# Altium PCB GameBoard_V1I1_Phase1.PcbDoc (part 5 of 18) (continued)
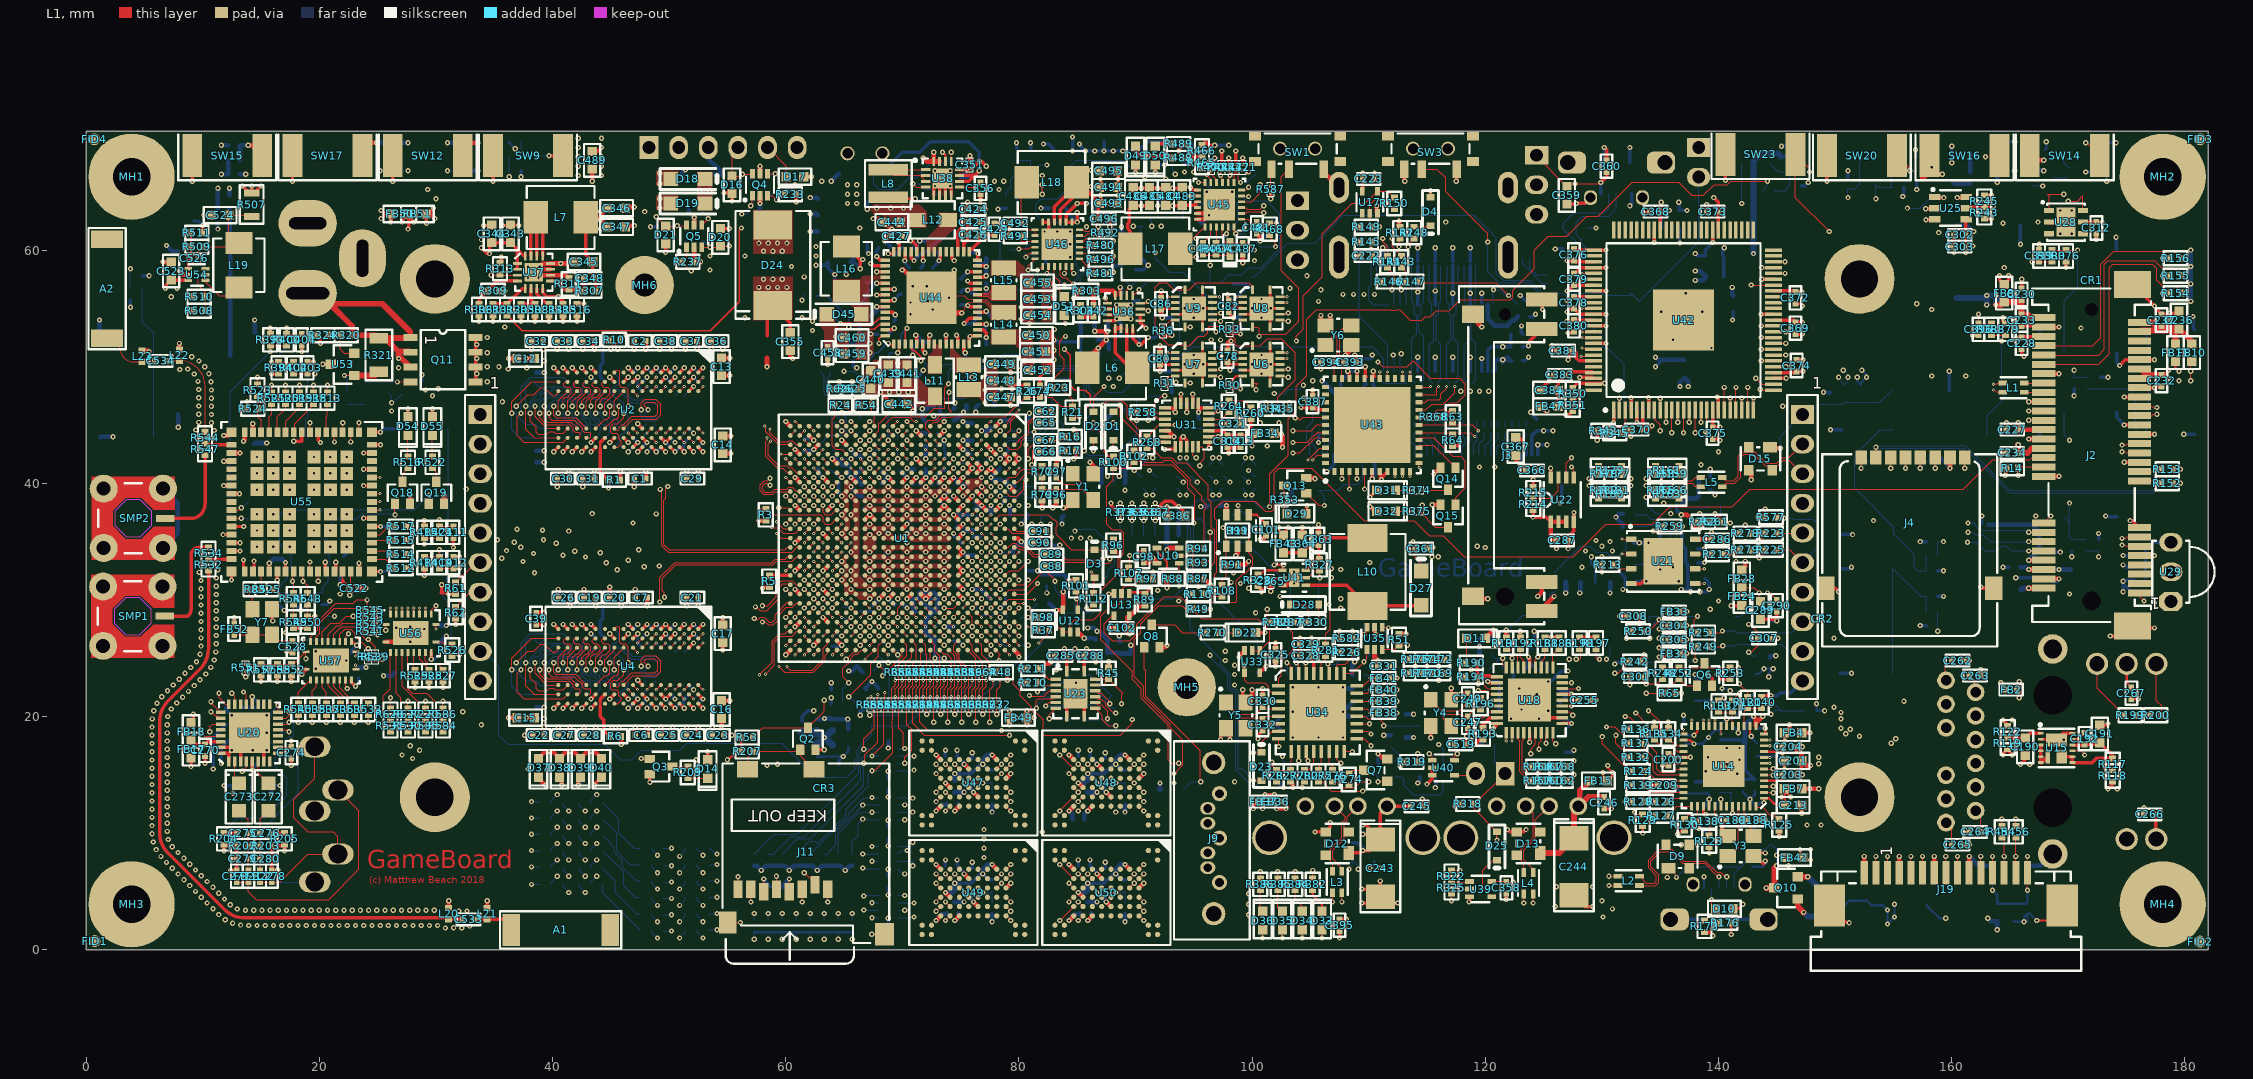
[diagram p0: L1 view]
## Part data (continued)
U23: "IC BUS TRANSCVR 4BIT 16QFN", Manufacturer="Texas Instruments", Operating Temperature="-40°C ~ 85°C", Package / Case="16-VFQFN Exposed Pad", Supplier Device Package="16-VQFN (4x4)", Supplier Part Number 1=296-18231-1-ND, Voltage - Supply="1.2 V ~ 3.6 V", .Checked PCB=used, .Checked SCH=used, .Creator=MM, Category="Integrated Circuits (ICs)", ComponentLink1Description=http://www.ti.com/lit/ds/symlink/sn74avc4t245.pdf, ComponentLink1URL=http://www.ti.com/lit/ds/symlink/sn74avc4t245.pdf, Data Rate=380Mbps, Differential - Input:Output=No/No, Input Type=Voltage, Logic Function="Translator, Bidirectional, 3-State", Manufacturer Part Number=SN74AVC4T245RGYR, Mounting Type="Surface Mount", Number of Channels=2, Number of Outputs/Channel=2, Output Type=Voltage, Packaging="Cut Tape (CT)", Pricing 1="1=1.15, 10=0.924, 100=0.71, 500=0.548, 1000=0.495 (USD)", Propagation Delay (Max)=2.9ns, RoHS="RoHS Compliant", Stock 1=17293, Supplier 1=Digi-Key
U25: "IC DIGITAL TEMP SENSOR SOT23-6", Manufacturer="Texas Instruments", Manufacturer Part Number=TMP101NA/3K, Operating Temperature="-55°C ~ 125°C", Package / Case=SOT-23-6, Supplier Part Number 1=296-27725-1-ND, Voltage - Supply="2.7 V ~ 5.5 V", .Checked PCB=used, .Checked SCH=used, Accuracy=±3°C(Max), Category="Integrated Circuits (ICs)", ComponentLink1Description=http://www.ti.com/lit/ds/symlink/tmp100.pdf, ComponentLink1URL=http://www.ti.com/lit/ds/symlink/tmp100.pdf, Function="Temp Monitoring System (Sensor)", Mounting Type="Surface Mount", Output Alarm=Yes, Output Fan=No, Output Type=I²C™/SMBus™, Packaging="Cut Tape (CT)", Pricing 1="1=2.55, 10=2.304, 25=2.064, 100=1.856, 250=1.648, 500=1.44, 1000=1.192 (USD)", RoHS="RoHS Compliant", Sensing Temperature="-55°C ~ 125°C", Sensor Type=Internal, Stock 1=3233, Supplier 1=Digi-Key, Supplier Device Package=SOT-23-6, Topology="ADC (Sigma Delta), Register Bank"
U26: library part TJA1040T/CM,118, "IC TRANSCEIVER CAN 8SOIC", Manufacturer="NXP Semiconductors", Operating Temperature=-, Package / Case="8-SOIC (0.154\", 3.90mm Width)", Supplier Device Package=8-SO, Supplier Part Number 1=568-10289-1-ND, Voltage - Supply="4.75 V ~ 5.25 V", .Checked PCB=used, .Checked SCH=used, .Creator=MM, Category="Integrated Circuits (ICs)", ComponentLink1Description=http://www.nxp.com/documents/data_sheet/TJA1040.pdf, ComponentLink1URL=http://www.nxp.com/documents/data_sheet/TJA1040.pdf, Data Rate=-, Duplex=Half, Manufacturer Part Number=TJA1040T/CM,118, Mounting Type="Surface Mount", Number of Drivers/Receivers=1/1, Packaging="Cut Tape (CT)", Pricing 1="1=1.32, 10=1.169, 25=1.0552, 100=0.9233, 250=0.80976, 500=0.71814, 1000=0.56792 (USD)", Protocol=CAN, Receiver Hysteresis=70mV, RoHS="RoHS Compliant", Stock 1=2927, Supplier 1=Digi-Key, Type=Transceiver
U28: "SENSIRION - SHT21 - SENSOR, HUMIDITY & TEMP, 3X3MM, 2%", Capacitance=-, Manufacturer=SENSIRION, Operating Temperature Max=125, Operating Temperature Min=-40, Supplier Part Number 1=1855468, Supply Voltage Max=3.6, Supply Voltage Min=2.1, .Checked PCB=used, .Checked SCH=used, .Creator=MM, Category="Integrated Circuits (ICs)", ComponentLink1Description=http://www.farnell.com/datasheets/1780639.pdf, ComponentLink1URL=http://www.farnell.com/datasheets/1780639.pdf, ComponentLink2Description=http://www.farnell.com/cad/1670197.zip, ComponentLink2URL=http://www.farnell.com/cad/1670197.zip, Humidity Range="0% to 100", Manufacturer Part Number=SHT21, MSL="MSL 1 - Unlimited<!--FANDB--><div class=\"features-and-benefits-container\"></div>", Pricing 1="1=3.03, 10=2.94, 25=2.88, 50=2.75, 100=2.55 (GBP)", Response Time=5, RoHS=YES, Sensing Accuracy=2%, Sensitivity="± 1%", Sensor Output1=Digital, Sensor Terminals=SMD, Stock 1=8509, Supplier 1=Farnell
U29: "IC IR RCVR MOD 38KHZ DOME AXIAL", B.P.F. Center Frequency=38.0kHz, Current - Supply=450µA, Manufacturer="Vishay Semiconductor Opto Division", Supplier Part Number 1=751-1227-ND, Voltage - Supply="2.5 V ~ 5.5 V", .Checked PCB=used, .Checked SCH=used, .Creator=MM, Category="Sensors, Transducers", ComponentLink1Description=http://www.vishay.com/docs/82491/tsop382.pdf, ComponentLink1URL=http://www.vishay.com/docs/82491/tsop382.pdf, Manufacturer Part Number=TSOP38238, Mounting Type="Through Hole", Orientation="Side View", Pricing 1="1=1.12, 10=0.878, 25=0.756, 50=0.6548, 100=0.594, 250=0.54, 500=0.4995, 1000=0.4455, 2500=0.432 (USD)", RoHS="RoHS Compliant", Sensing Distance=45m, Stock 1=4083, Supplier 1=Digi-Key
U30: "SENSOR XTRINSIC 6-AXIS QFN", Manufacturer="Freescale Semiconductor", Supplier Part Number 1=FXOS8700CQR1CT-ND, .Checked PCB=used, .Checked SCH=used, .Creator=MM, Category="Sensors, Transducers", ComponentLink1Description=http://cache.freescale.com/files/sensors/doc/data_sheet/FXOS8700CQ.pdf, ComponentLink1URL=http://cache.freescale.com/files/sensors/doc/data_sheet/FXOS8700CQ.pdf, Manufacturer Part Number=FXOS8700CQR1, Output Type="I²C, SPI", Pricing 1="1=2.63, 10=2.35, 25=2.2092, 100=2.115, 250=2.021, 500=1.88 (USD)", RoHS="RoHS Compliant", Sensor Type="Accelerometer, Magnetometer, 3 Axis", Stock 1=6201, Supplier 1=Digi-Key
U31: "GYROSCOPE 3-AXIS 24QFN", Current - Supply=2.7mA, Manufacturer="Freescale Semiconductor", Operating Temperature="-40°C ~ 85°C", Package / Case="24-TFQFN Exposed Pad", Supplier Device Package="24-QFN (4x4)", Supplier Part Number 1=FXAS21002CQR1CT-ND, Voltage - Supply="1.95 V ~ 3.6 V", .Checked PCB=used, .Checked SCH=used, .Creator=MM, Category="Sensors, Transducers", ComponentLink1Description=http://cache.freescale.com/files/sensors/doc/data_sheet/FXAS21002.pdf, ComponentLink1URL=http://cache.freescale.com/files/sensors/doc/data_sheet/FXAS21002.pdf, Manufacturer Part Number=FXAS21002CQR1, Output Type="I²C, SPI", Pricing 1="1=3.56, 10=3.175, 25=2.9844, 100=2.8575, 250=2.73052, 500=2.54 (USD)", Range °/s="±250°/s, ±500°/s, ±1000°/s, ±2000°/s", RoHS="RoHS Compliant", Sensitivity="0.0078°/s/LSB, 0.0156°/s/LSB, 0.0312°/s/LSB, 0.0625°/s/LSB", Stock 1=1703, Supplier 1=Digi-Key, Typical Bandwidth=400Hz
U32: "IC SGL SCHMT-TRIG INVERT SC70-5", Current - Output High, Low="32mA, 32mA", Current - Quiescent (Max)=10µA, Manufacturer="Texas Instruments", Operating Temperature="-40°C ~ 85°C", Package / Case="5-TSSOP, SC-70-5, SOT-353", Supplier Device Package=SC-70-5, Supplier Part Number 1=296-11608-1-ND, Voltage - Supply="1.65 V ~ 5.5 V", .Checked PCB=used, .Checked SCH=used, .Creator=MM, Category="Integrated Circuits (ICs)", ComponentLink1Description=http://www.ti.com/lit/ds/symlink/sn74lvc1g14.pdf, ComponentLink1URL=http://www.ti.com/lit/ds/symlink/sn74lvc1g14.pdf, Features="Schmitt Trigger", Logic Level - High="1.16 V ~ 3.33 V", Logic Level - Low="0.39 V ~ 1.87 V", Logic Type=Inverter, Manufacturer Part Number=SN74LVC1G14DCKR, Max Propagation Delay @ V, Max CL="5ns @ 5V, 50pF", Mounting Type="Surface Mount", Number of Circuits=1, Number of Inputs=1, Packaging="Cut Tape (CT)", Pricing 1="1=0.49, 10=0.284, 100=0.134, 1000=0.103 (USD)", RoHS="RoHS Compliant", Stock 1=49135, Supplier 1=Digi-Key
U34: library part LPC1345FHN33,551, "IC MCU ARM 32KB FLASH 32HVQFN", Manufacturer="NXP Semiconductors", Operating Temperature="-40°C ~ 85°C", Package / Case="32-VQFN Exposed Pad", Supplier Device Package="32-HVQFN (7x7)", Voltage - Supply (Vcc/Vdd)="2 V ~ 3.6 V", .Checked PCB=used, .Checked SCH=used, .Creator=MM, Category="Integrated Circuits (ICs)", ComponentLink1Description=http://www.nxp.com/documents/data_sheet/LPC1315_16_17_45_46_47.pdf, ComponentLink1URL=http://www.nxp.com/documents/data_sheet/LPC1315_16_17_45_46_47.pdf, Connectivity="I²C, Microwire, SPI, SSI, SSP, UART/USART, USB", Core Processor="ARM® Cortex®-M3", Core Size=32-Bit, Data Converters="A/D 8x12b", EEPROM Size="2K x 8", Manufacturer Part Number=LPC1345FHN33,551, Number of I/O=26, Oscillator Type=Internal, Packaging=Tray, Peripherals="Brown-out Detect/Reset, POR, WDT", Pricing 1="260=3.2745 (USD)", Program Memory Size="32KB (32K x 8)", Program Memory Type=FLASH, RAM Size="10K x 8", RoHS="RoHS Compliant", Speed=72MHz, Stock 1=0, Supplier 1=Digi-Key, Supplier Part Number 1=LPC1345FHN33,551-ND
U35: "IC SWITCH SPDT SC70-6", Current - Supply=2.5µA, Manufacturer="Texas Instruments", On-State Resistance="10 Ohm", Operating Temperature="-40°C ~ 85°C", Package / Case="6-TSSOP, SC-88, SOT-363", Supplier Device Package=SC-70-6, Supplier Part Number 1=296-17588-1-ND, Voltage - Supply, Single/Dual (±)="1.65 V ~ 5.5 V", Voltage Supply Source="Single Supply", .Checked PCB=used, .Checked SCH=used, .Creator=MM, Category="Integrated Circuits (ICs)", Circuit="1 x SPDT", ComponentLink1Description=http://www.ti.com/lit/ds/symlink/ts5a3157.pdf, ComponentLink1URL=http://www.ti.com/lit/ds/symlink/ts5a3157.pdf, Function=Switch, Manufacturer Part Number=TS5A3157DCKR, Mounting Type="Surface Mount", Packaging="Cut Tape (CT)", Pricing 1="1=0.42, 10=0.325, 100=0.171, 1000=0.153 (USD)", RoHS="RoHS Compliant", Stock 1=2204, Supplier 1=Digi-Key
U36 U37: "IC REG BUCK SYNC ADJ 4A 16TQFN", Current - Output=4A, Frequency - Switching="490kHz ~ 4.2MHz", Manufacturer=Intersil, Operating Temperature="-40°C ~ 85°C", Package / Case="16-WFQFN Exposed Pad", Supplier Device Package="16-TQFN (3x3)", Supplier Part Number 1=ISL8024AIRTAJZ-T7ACT-ND, Voltage - Input="2.7 V ~ 5.5 V", Voltage - Output="0.6 V ~ 5.5 V", .Checked PCB=used, .Checked SCH=used, .Creator=MM, Category="Integrated Circuits (ICs)", ComponentLink1Description=http://www.intersil.com/content/dam/Intersil/documents/fn78/fn7812.pdf, ComponentLink1URL=http://www.intersil.com/content/dam/Intersil/documents/fn78/fn7812.pdf, Manufacturer Part Number=ISL8024AIRTAJZ-T7A, Mounting Type="Surface Mount", Number of Outputs=1, Output Type=Adjustable, Packaging="Cut Tape (CT)", Pricing 1="1=4.61, 25=3.63, 100=3.08 (USD)", RoHS="RoHS Compliant", Stock 1=440, Supplier 1=Digi-Key, Synchronous Rectifier=Yes, Type="Step-Down (Buck)"
U38: "IC REG BUCK 5V 3A SYNC 16QFN", Base Part Number=TPS62133, Current - Output=3A, Frequency - Switching=2.5MHz, Manufacturer="Texas Instruments", Operating Temperature="-40°C ~ 85°C (TA)", Package / Case="16-VFQFN Exposed Pad", Supplier Device Package="16-QFN (3x3)", Supplier Part Number 1=296-29937-1-ND, Voltage - Input (Max)=17V, Voltage - Input (Min)=3V, Voltage - Output (Max)=-, Voltage - Output (Min/Fixed)=5V, .Creator=MB, Category="Integrated Circuits (ICs)", ComponentLink1Description=http://www.ti.com/lit/ds/symlink/tps62130.pdf, ComponentLink1URL=http://www.ti.com/lit/ds/symlink/tps62130.pdf, Function=Step-Down, Manufacturer Part Number=TPS62133RGTR, Mounting Type="Surface Mount", Number of Outputs=1, Output Configuration=Positive, Output Type=Fixed, Packaging="Cut Tape (CT)", Part Status=Active, Pricing 1="1=2.35, 10=2.113, 100=1.6981, 500=1.39514, 1000=1.15597 (USD)", RoHS="RoHS Compliant", Stock 1=20215, Supplier 1=Digi-Key, Synchronous Rectifier=Yes, Topology=Buck
U39 U40: "IC BUFF CMOS LVL/SFTR N-I SOT353", Current - Output High, Low="8mA, 8mA", Manufacturer="ON Semiconductor", Operating Temperature="-55°C ~ 125°C", Package / Case="5-TSSOP, SC-70-5, SOT-353", Supplier Device Package=SC-70, Supplier Part Number 1=M74VHC1GT126DF1GOSCT-ND, Voltage - Supply="3 V ~ 5.5 V", .Checked PCB=used, .Checked SCH=used, .Creator=MM, Category="Integrated Circuits (ICs)", ComponentLink1Description=http://www.onsemi.com/pub_link/Collateral/MC74VHC1GT126-D.PDF, ComponentLink1URL=http://www.onsemi.com/pub_link/Collateral/MC74VHC1GT126-D.PDF, Logic Type="Buffer/Line Driver, Non-Inverting", Manufacturer Part Number=M74VHC1GT126DF1G, Mounting Type="Surface Mount", Number of Bits per Element=1, Number of Elements=1, Packaging="Cut Tape (CT)", Pricing 1="1=0.36, 10=0.326, 25=0.2344, 100=0.1824, 250=0.1146, 500=0.09766, 1000=0.06654 (USD)", RoHS="RoHS Compliant", Stock 1=6821, Supplier 1=Digi-Key
U41: "IC LED DRVR RGLTR DIM 1.2A 6SON", Base Part Number=TPS61165, Current - Output / Channel="1.2A (Switch)", Frequency=1.2MHz, Manufacturer="Texas Instruments", Operating Temperature="-40°C ~ 85°C (TA)", Package / Case="6-WDFN Exposed Pad", Supplier Device Package="6-SON (2x2)", Supplier Part Number 1=296-22944-1-ND, Voltage - Output="3 V ~ 38 V", Voltage - Supply (Max)=18V, Voltage - Supply (Min)=3V, .Creator=MB, Applications="Automotive, Backlight", Category="Integrated Circuits (ICs)", ComponentLink1Description=http://www.ti.com/lit/ds/symlink/tps61165.pdf, ComponentLink1URL=http://www.ti.com/lit/ds/symlink/tps61165.pdf, Dimming=PWM, Internal Switch(s)=Yes, Manufacturer Part Number=TPS61165DRVR, Mounting Type="Surface Mount", Number of Outputs=1, Packaging="Cut Tape (CT)", Part Status=Active, Pricing 1="1=1.87, 10=1.681, 100=1.3514, 500=1.11034, 1000=0.92 (USD)", RoHS="RoHS Compliant", Stock 1=17685, Supplier 1=Digi-Key, Topology="Step-Up (Boost)", Type="DC DC Regulator"
U42: "Digital Receiver 3RX 100-Pin HTQFP EP T/R", Dual Supply Voltage=3.3V, Manufacturer="Texas Instruments", Max Dual Supply Voltage=3.6V, Max Operating Temperature=85°C, Min Dual Supply Voltage=3V, Min Operating Temperature=-40°C, Nominal Supply Current=370mA, Package Quantity=900, Supplier Part Number 1=595-TFP401AIPZPRQ1, .Creator=MB, ComponentLink1Description=https://datasheet.ciiva.com/6634/slds190-6634593.pdf, ComponentLink1URL=https://datasheet.ciiva.com/6634/slds190-6634593.pdf, ComponentLink2Description=https://datasheet.ciiva.com/26913/getdatasheetpartid-720456-26913091.pdf, ComponentLink2URL=https://datasheet.ciiva.com/26913/getdatasheetpartid-720456-26913091.pdf, ComponentLink3Description=https://datasheet.ciiva.com/24101/slds190-260996-24101855.pdf, ComponentLink3URL=https://datasheet.ciiva.com/24101/slds190-260996-24101855.pdf, Lead Free="Lead Free", Manufacturer Part Number=TFP401AIPZPRQ1, Mount="Surface Mount", Number of Pins=100, Packaging="Tape and Reel", Pricing 1="1=9.68, 10=8.75, 50=8.1, 100=7.24, 1000=5.49, 10000=5.49 (USD)", Radiation Hardening=No, Stock 1=0, Supplier 1=Mouser
U43: "IC MCU 8BIT 32KB FLASH 44QFN", Case/Package=QFN, Frequency=48MHz, Manufacturer=Microchip, Max Operating Temperature=85°C, Max Power Dissipation=1W, Max Supply Voltage=5.5V, Min Operating Temperature=-40°C, Min Supply Voltage=4.2V, Package Quantity=45, Supplier Part Number 1=PIC18F4550-I/ML-ND, .Creator=MB, Access Time=48us, ComponentLink1Description=https://datasheet.ciiva.com/9244/39632d-9244677.pdf, ComponentLink1URL=https://datasheet.ciiva.com/9244/39632d-9244677.pdf, ComponentLink2Description=https://datasheet.ciiva.com/1494/39632e-1494715.pdf, ComponentLink2URL=https://datasheet.ciiva.com/1494/39632e-1494715.pdf, ComponentLink3Description=https://datasheet.ciiva.com/7774/39632e-7774431.pdf, ComponentLink3URL=https://datasheet.ciiva.com/7774/39632e-7774431.pdf, Core Architecture=PIC, Data Bus Width=8b, Density=32KB, Height=0.95mm, Interface=I2C,SPI,USB,UART,USART, Lead Free="Lead Free", Length=8mm, Manufacturer Part Number=PIC18F4550-I/ML, Max Frequency=48MHz, Memory Size=32KB, Memory Type=FLASH, Mount="Surface Mount", Number of ADC Channels=13, Number of Bits=8, Number of I2C Channels=1, Number of I/Os=35, Number of Inputs=35, Number of Outputs=34, Number of Pins=44, Number of Programmable I/O=35, Number of PWM Channels=1, Number of SPI Channels=1, Number of Timers/Counters=4, Number of UART Channels=1, Number of USB Channels=1, Oscillator Type=Internal, Packaging=Rail/Tube, Peripherals="Brown-out Detect/Reset,POR,PWM,WDT,HLVD,I2C", Pricing 1="1=4.73, 25=4.6248, 100=4.5114 (USD)", Radiation Hardening=No, RAM Size=2KB, REACH SVHC="No SVHC", Stock 1=752, Supplier 1=Digi-Key, Watchdog Timer=Yes, Width=8mm
U44: "IC PWR MGMT I.MX6 56QFN", Manufacturer="Freescale Semiconductor", Operating Temperature="-40°C ~ 85°C", Package / Case="56-VFQFN Exposed Pad", Supplier Device Package="56-QFN (8x8)", Supplier Part Number 1=MMPF0100NPAEP-ND, Voltage - Input="2.8 V ~ 4.5 V", Voltage - Output=Multiple, .Checked PCB=used, .Checked SCH=used, .Creator=MM, Applications="Converter, i.MX6", Category="Integrated Circuits (ICs)", ComponentLink1Description=http://cache.freescale.com/files/analog/doc/data_sheet/MMPF0100.pdf, ComponentLink1URL=http://cache.freescale.com/files/analog/doc/data_sheet/MMPF0100.pdf, Manufacturer Part Number=MMPF0100NPAEP, Mounting Type="Surface Mount", Number of Outputs=12, Packaging=Tray, Pricing 1="260=4.017 (USD)", RoHS="RoHS Compliant", Stock 1=0, Supplier 1=Digi-Key
U45: "IC LI-ION CHARGE MGMT 24WQFN", Battery Pack Voltage=-, Charge Current - Max=5A, Manufacturer="Texas Instruments", Operating Temperature="-40°C ~ 85°C (TA)", Package / Case="24-WFQFN Exposed Pad", Supplier Device Package="24-WQFN (4x4)", Supplier Part Number 1=296-46074-1-ND, Voltage - Supply (Max)=14V, .Creator=MB, Battery Chemistry=Lithium-Ion/Polymer, Category="Integrated Circuits (ICs)", ComponentLink1Description=http://www.ti.com/lit/ds/symlink/bq25890.pdf, ComponentLink1URL=http://www.ti.com/lit/ds/symlink/bq25890.pdf, ComponentLink2Description=http://www.ti.com/lit/ds/symlink/bq25898c.pdf, ComponentLink2URL=http://www.ti.com/lit/ds/symlink/bq25898c.pdf, Current - Charging=-, Fault Protection="Over Current, Over Temperature", Interface="I²C, USB", Manufacturer Part Number=BQ25890RTWR, Number of Cells=1, Packaging="Cut Tape (CT)", Part Status=Active, Pricing 1="1=3.6, 10=3.236, 100=2.6512, 500=2.25694, 1000=1.90344 (USD)", Pricing 2="1=3.87, 10=3.474, 100=2.846 (USD)", Programmable Features=-, RoHS="RoHS Compliant", Stock 1=4130, Stock 2=565, Supplier 1=Digi-Key, Supplier 2=Digi-Key, Supplier Part Number 2=296-44134-1-ND
U46: "IC LI-ION CHARGE MGMT 24WQFN", Manufacturer="Texas Instruments", Max Operating Temperature=85°C, Min Operating Temperature=-40°C, Operating Supply Voltage=14V, Output Current=5A, Output Voltage=4.6V, Supplier Part Number 1=296-46075-6-ND, ComponentLink1Description=http://www.ti.com/lit/gpn/BQ25892, ComponentLink1URL=http://www.ti.com/lit/gpn/BQ25892, ComponentLink2Description=http://www.ti.com/lit/ds/symlink/bq25892.pdf, ComponentLink2URL=http://www.ti.com/lit/ds/symlink/bq25892.pdf, Contact Plating=Nickel,Gold, Lead Free="Lead Free", Manufacturer Part Number=BQ25892RTWR, Mount="Surface Mount", Number of Cells=1, Pricing 1="1=3.6, 10=3.236, 100=2.6512, 500=2.25694, 1000=1.90344 (USD)", Stock 1=1514, Supplier 1=Digi-Key
U47 U48 U49 U50: "IC FLASH MEM 4GBIT NAND 63VFBGA", Manufacturer=Macronix, Max Operating Temperature=85°C, Min Operating Temperature=-40°C, ComponentLink1Description=http://www.macronix.com/Lists/Datasheet/Attachments/5992/MX30LF2G18AC,%203V,%202Gb,%20v1.4.pdf, ComponentLink1URL=http://www.macronix.com/Lists/Datasheet/Attachments/5992/MX30LF2G18AC,%203V,%202Gb,%20v1.4.pdf, Interface=Parallel, Manufacturer Part Number=MX30LF4G18AC-XKI, Memory Type=NAND,FLASH, Number of Pins=63, Packaging=Tray, Pricing 1="1=11.32, 500=8.4375 (USD)", Stock 1=1195, Supplier 1=Digi-Key
U52: "IC SINGLE INVERTER GATE SOT353", Case/Package=SOT-353, High Level Output Current=-8mA, Low Level Output Current=8mA, Manufacturer=Diodes, Max Operating Temperature=125°C, Max Supply Voltage=5.5V, Min Operating Temperature=-40°C, Min Supply Voltage=4.5V, Operating Supply Voltage=5V, Package Quantity=3000, Quiescent Current=1uA, Supplier Part Number 1=74AHCT1G04SE-7DIDKR-ND, .Creator=MB, ComponentLink1Description=https://datasheet.ciiva.com/26856/getdatasheetpartid-746016-26856226.pdf, ComponentLink1URL=https://datasheet.ciiva.com/26856/getdatasheetpartid-746016-26856226.pdf, ComponentLink2Description=https://datasheet.ciiva.com/28428/74ahct1g04-28428437.pdf, ComponentLink2URL=https://datasheet.ciiva.com/28428/74ahct1g04-28428437.pdf, ComponentLink3Description=https://datasheet.ciiva.com/12256/74ahct1g04-83266-12256775.pdf, ComponentLink3URL=https://datasheet.ciiva.com/12256/74ahct1g04-83266-12256775.pdf, ComponentLink4Description=https://datasheet.ciiva.com/1862/74ahct1g04-1862426.pdf, ComponentLink4URL=https://datasheet.ciiva.com/1862/74ahct1g04-1862426.pdf, ComponentLink5Description=https://datasheet.ciiva.com/1862/74ahct1g04-1862427.pdf, ComponentLink5URL=https://datasheet.ciiva.com/1862/74ahct1g04-1862427.pdf, ComponentLink6Description=https://datasheet.ciiva.com/1862/74ahct1g04-1862428.pdf, ComponentLink6URL=https://datasheet.ciiva.com/1862/74ahct1g04-1862428.pdf, ComponentLink7Description=https://datasheet.ciiva.com/8248/74ahct1g04-8248604.pdf, ComponentLink7URL=https://datasheet.ciiva.com/8248/74ahct1g04-8248604.pdf, ComponentLink8Description=https://datasheet.ciiva.com/16406/74ahc1g04-16406796.pdf, ComponentLink8URL=https://datasheet.ciiva.com/16406/74ahc1g04-16406796.pdf, ComponentLink9Description=https://datasheet.ciiva.com/1154/74ahct1g04-1154302.pdf, ComponentLink9URL=https://datasheet.ciiva.com/1154/74ahct1g04-1154302.pdf, Contact Plating=Tin,Matte, Height=1mm, Lead Free="Lead Free", Length=2.2mm, Logic Function=Inverter, Manufacturer Part Number=74AHCT1G04SE-7, Mount="Surface Mount", Number of Circuits=1, Number of Elements=1, Number of Inputs=1, Number of Pins=5, Output Current=8mA, Packaging="Tape and Reel", Pricing 1="1=0.25, 10=0.205, 100=0.1086, 500=0.07148, 1000=0.0486 (USD)", Propagation Delay=7.7ns, Radiation Hardening=No, REACH SVHC="No SVHC", Schmitt Trigger Input=No, Stock 1=6017, Supplier 1=Digi-Key, Turn-On Delay Time=10.05ns, Width=1.35mm
U53: "IC VREF SHUNT ADJ SOT23-3", Current - Cathode=700µA, Current - Output=100mA, Current - Supply=-, Manufacturer="Texas Instruments", Operating Temperature="-40°C ~ 125°C (TA)", Package / Case="TO-236-3, SC-59, SOT-23-3", Supplier Device Package=SOT-23-3, Supplier Part Number 1=296-18864-1-ND, Tolerance=±1%, Voltage - Output (Max)=36V, Voltage - Output (Min/Fixed)=2.495V, .Checked PCB=used, .Checked SCH=used, .Creator=MM, Category="Integrated Circuits (ICs)", ComponentLink1Description=http://www.ti.com/lit/ds/symlink/tl431a.pdf, ComponentLink1URL=http://www.ti.com/lit/ds/symlink/tl431a.pdf, Manufacturer Part Number=TL431AQDBZR, Mounting Type="Surface Mount", Noise - 0.1Hz to 10Hz=-, Noise - 10Hz to 10kHz=-, Output Type=Adjustable, Packaging="Cut Tape (CT)", Pricing 1="1=0.48, 10=0.323, 100=0.151, 1000=0.131 (USD)", Reference Type=Shunt, RoHS="RoHS Compliant", Stock 1=14090, Supplier 1=Digi-Key, Temperature Coefficient=-, Voltage - Input=-
U54: "1-A High Efficiency Step-Down Converter in SOT Package, DRL0006A (SOT-OTHER-6)", Alternate Manufacturer="Texas Instruments", Alternate PartNumber=TLV62568DRLT, ComponentLink1Description="Datasheet Link", ComponentLink1URL=http://www.ti.com/lit/ds/symlink/tlv62568.pdf, CompType=IC, LatestRevisionDate=2017-05-22, Manufacturer="Texas Instruments", MountType=SMT, PackageDescription=SOT-OTHER-6, PackageReference=DRL0006A, PartNumber=TLV62568DRLR, Publisher="Texas Instruments", RoHS=Y, SizeArea_mm2=2.56, SizeAreaWB_mm2=6.76, SizeX_mm=1.6, SizeY_mm=1.6, SizeZ_mm=0.6, SymbolCreator=a0411947, SymbolVersion=2016-08-27, U/M=EA
U55: "Imported", Manufacturer="Texas Instruments", ComponentLink1Description="Design Guide", ComponentLink1URL=http://www.ti.com/lit/ug/swru382a/swru382a.pdf, ComponentLink2Description="Data Sheet", ComponentLink2URL=http://www.ti.com/lit/ds/symlink/wl1837mod.pdf, PartNumber=WL1837MODGIMOCR, RefDes=RefDes, Type=TYPE
U56 U57: "8-Bit Bidirectional Voltage-Level Shifter For Open-Drain And Push-Pull Application, RGY0020A (VQFN-20)", Alternate Manufacturer="Texas Instruments", ComponentLink1Description="Datasheet Link", ComponentLink1URL=http://www.ti.com/lit/ds/symlink/txs0108e.pdf, CompType=IC, Green_EU RoHS=Passed, Green_EU RoHS-2=Passed, Green_Lifecycle=Active, Green_REACh=Passed, LatestRevisionDate=2017-06-05, Manufacturer="Texas Instruments", MountType=SMT, PackageDescription=VQFN-20, PackageReference=RGY0020A, PartNumber=TXS0108ERGYR, Publisher="Texas Instruments", RoHS=Y, SizeArea_mm2=15.75, SizeAreaWB_mm2=24.75, SizeX_mm=3.5, SizeY_mm=4.5, SizeZ_mm=1, SymbolCreator=a0411947, SymbolVersion=2016-1-28, U/M=EA
Y1 Y4: library part ABM8-24.000MHZ-R60-D-1-W-T, "CRYSTAL 24MHZ 18PF SMD", ESR (Equivalent Series Resistance)="50 Ohm", Frequency Stability=±25ppm, Frequency Tolerance=±10ppm, Load Capacitance=18pF, Manufacturer="Abracon Corporation", Operating Mode=Fundamental, Operating Temperature="-40°C ~ 85°C", Package / Case="4-SMD, No Lead (DFN, LCC)", Ratings=-, Supplier Part Number 1=535-10155-1-ND, .Checked PCB=used, .Checked SCH=used, .Creator=MM, Category="Crystals and Oscillators", ComponentLink1Description=http://www.abracon.com/Resonators/abm8.pdf, ComponentLink1URL=http://www.abracon.com/Resonators/abm8.pdf, Frequency=24MHz, Height="0.031\" (0.80mm)", Manufacturer Part Number=ABM8-24.000MHZ-R60-D-1-W-T, Mounting Type="Surface Mount", Packaging="Cut Tape (CT)", Pricing 1="1=1.42, 10=1.356, 50=1.326, 100=1.134, 500=1.104 (USD)", RoHS="RoHS Compliant", Size / Dimension="0.126\" L x 0.098\" W (3.20mm x 2.50mm)", Stock 1=11496, Supplier 1=Digi-Key, Type="MHz Crystal"
Y2: library part ABS06-32.768KHZ-9-1-T, "CRYSTAL 32.768 KHZ 9.0 PF SMD", Frequency Stability=±10ppm, Load Capacitance=9pF, Manufacturer="Abracon Corporation", Operating Mode=Fundamental, Operating Temperature="-40°C ~ 85°C", Package / Case="2-SMD, No Lead (DFN, LCC)", Supplier Part Number=535-10247-1-ND, .Checked PCB=used, .Checked SCH=used, Category="Crystals and Oscillators", ComponentLink1Description=http://www.abracon.com/Resonators/ABS06.pdf, ComponentLink1URL=http://www.abracon.com/Resonators/ABS06.pdf, Frequency=32.768kHz, Frequency Tolerance=±10ppm, Height="0.024\" (0.60mm)", Manufacturer Part Number=ABS06-32.768KHZ-9-1-T, Mounting Type="Surface Mount", Packaging="Cut Tape (CT)", Price 1k [$]=1.24500, Pricing 1="1=2.81, 10=2.438, 50=2.1376, 100=1.6875, 500=1.425 (USD)", RoHS="RoHS Compliant", Size / Dimension="0.079\" L x 0.047\" W (2.00mm x 1.20mm)", Stock 1=5693, Supplier=Digikey, Supplier 1=Digi-Key, Supplier Part Number 1=535-10247-1-ND, Type="kHz Crystal (Tuning Fork)"
Y3: library part ABM8G-25.000MHZ-18-D2Y-T, "CRYSTAL 25MHZ 18PF SMD", ESR (Equivalent Series Resistance)="60 Ohm", Frequency=25MHz, Frequency Stability=±30ppm, Frequency Tolerance=±20ppm, Load Capacitance=18pF, Manufacturer="Abracon Corporation", Operating Mode=Fundamental, Operating Temperature="-40°C ~ 85°C", Package / Case="4-SMD, No Lead (DFN, LCC)", Ratings=-, Supplier Part Number 1=535-10275-1-ND, .Checked PCB=used, .Checked SCH=used, .Creator=MM, Category="Crystals and Oscillators", ComponentLink1Description=http://www.abracon.com/Resonators/ABM8G.pdf, ComponentLink1URL=http://www.abracon.com/Resonators/ABM8G.pdf, Height="0.039\" (1.00mm)", Manufacturer Part Number=ABM8G-25.000MHZ-18-D2Y-T, Mounting Type="Surface Mount", Packaging="Cut Tape (CT)", Pricing 1="1=1.06, 10=0.944, 50=0.8814, 100=0.78, 500=0.7371 (USD)", RoHS="RoHS Compliant", Size / Dimension="0.126\" L x 0.098\" W (3.20mm x 2.50mm)", Stock 1=25549, Supplier 1=Digi-Key, Type="MHz Crystal"
Y5: "CRYSTAL 12MHZ 12PF SMD", ESR (Equivalent Series Resistance)="100 Ohm", Frequency=12MHz, Frequency Stability=±30ppm, Load Capacitance=12pF, Manufacturer="TXC CORPORATION", Operating Mode=Fundamental, Operating Temperature="-40°C ~ 85°C", Package / Case="4-SMD, No Lead (DFN, LCC)", Ratings=-, Supplier Part Number 1=887-1775-1-ND, .Checked PCB=used, .Checked SCH=used, .Creator=MM, Category="Crystals and Oscillators", ComponentLink1Description=http://www.txccrystal.com/images/pdf/7m.pdf, ComponentLink1URL=http://www.txccrystal.com/images/pdf/7m.pdf, Frequency Tolerance=±30ppm, Height="0.031\" (0.80mm)", Manufacturer Part Number=7M-12.000MAHE-T, Mounting Type="Surface Mount", Packaging="Cut Tape (CT)", Pricing 1="1=0.96, 10=0.847, 50=0.791, 100=0.7, 500=0.6615, 1000=0.553 (USD)", RoHS="RoHS Compliant", Size / Dimension="0.126\" L x 0.098\" W (3.20mm x 2.50mm)", Stock 1=2813, Supplier 1=Digi-Key, Type="MHz Crystal"
Y6: "CRYSTAL 20MHZ 18PF SMD", Frequency Stability=±30ppm, Load Capacitance=18pF, Manufacturer="TXC CORPORATION", Operating Mode=Fundamental, Operating Temperature="-20°C ~ 70°C", Package / Case="4-SMD, No Lead", Ratings=-, Supplier Part Number 1=887-1129-1-ND, .Creator=MB, Category="Crystals, Oscillators, Resonators", ComponentLink1Description=http://www.txccorp.com/download/products/quartz_crystals/2015TXC_7M_17.pdf, ComponentLink1URL=http://www.txccorp.com/download/products/quartz_crystals/2015TXC_7M_17.pdf, Frequency Tolerance=±30ppm, Height - Seated (Max)="0.032\" (0.80mm)", Manufacturer Part Number=7M-20.000MAAJ-T, Mounting Type="Surface Mount", Packaging="Cut Tape (CT)", Part Status=Active, Pricing 1="1=1, 10=0.886, 50=0.8278, 100=0.7315, 500=0.693, 1000=0.5775 (USD)", RoHS="RoHS Compliant", Size / Dimension="0.126\" L x 0.098\" W (3.20mm x 2.50mm)", Stock 1=26185, Supplier 1=Digi-Key, Type="MHz Crystal"
Y7: "Oscillator, 32.768 kHz, 1.8 V, SMD", Frequency_Fixed="32.768 kHz", Frequency Stability=±50ppm, Manufacturer="TXC Corporation", ComponentLink1Description="Datasheet Link", ComponentLink1URL="https://sps06.itg.ti.com/sites/KMS/crossdivteams/altium/docs/ComponentDatasheets/7XZ3270026 TI.pdf", CompType=Oscillator, LatestRevisionDate=2017-06-23, MountType=SMT, PackageReference=3.2x2.5mm, PartNumber=7XZ3270026, Publisher="Texas Instruments", RoHS=Y, SizeArea_mm2=8, SizeAreaWB_mm2=14.7, SizeX_mm=2.5, SizeY_mm=3.2, SizeZ_mm=1.1, SymbolCreator=a0799628, SymbolVersion=2016-1-27, TaMax_C=105, TaMin_C=-40, U/M=EA

## Via types
v1: diameter 0.45, hole 0.2, L1 to L12, 1937 vias
v2: diameter 0.45, hole 0.2, L1 to L12, tented both sides, 1004 vias
v3: diameter 0.27, hole 0.1, L1 to L2, 337 vias
v4: diameter 0.27, hole 0.1, L2 to L3, 335 vias
v5: diameter 0.27, hole 0.1, L10 to L11, 96 vias
v6: diameter 0.27, hole 0.1, L11 to L12, 94 vias
v7: diameter 0.27, hole 0.1, L3 to L5 (PWR), 2 vias

## Nets (pads, with @x,y where several pads share a name; then routed paths per layer and width w, separated by ;. In a path a pad name is that pad's centre, name@x,y a point inside that pad or via, vN(x,y) a via of type N, cw(c..) or ccw(c..) an arc to the next point about the centre after c; other vN are vias at no path point)
3V3_AVDD: C378.1 C379.1 C380.1 C381.1 C382.1 FB46.2 U42.82 U42.84 U42.88 U42.95 | length 30.4
  L1 w0.3: v1(127,53.9) 127.5,53.9 C380.1@127.6,54 U42.88@129.275,54 ; v1(127,55.7) 127.3,55.7 C378.1@127.6,56 U42.84@129.275,56 ; v1(127,56.5) 127.1,56.5 C379.1@127.6,57 U42.82@129.275,57 ; v1(127.1,50.6) 127.2,50.7 C381.1@127.2,51.375 127.625,51.375 127.815,51.185 127.815,50.741 128.056,50.5 U42.95@129.275,50.5
  L7 (PWR) w0.3: v1(127,56.5) v1(127,55.7) 127,55.65 127.475,55.175 127.475,54.503 127,54.028 v1(127,53.9) 126.625,53.525 126.625,52.703 127.1,52.228 v1(127.1,50.6) 127.7,50 v1(134.6,50)
  L12 w0.3: v1(134.6,50) 135.159,50.559 FB46.2@137.1,50.559 137.009,50.65 C382.1@135.4,50.65 134.75,50.65 v1(134.6,50.8)
3V3_DVDD: C368.1 C369.1 C370.1 C371.1 FB44.2 U42.6 U42.38 U42.67 | length 41.7
  L1 w0.3: U42.6@133.5,46.275 133.5,44.625 134,44.625 v2(134.3,44.925) ; U42.67@135,61.725 135,63.2 C368.1@135.1,63.3 v1(135.1,64.1) ; U42.38@144.725,54 146.4,54 C369.1@146.6,53.8 v1(147.2,53.8)
  L7 (PWR) w0.3: v2(134.3,44.925) 135.9,46.525 137.984,46.525 139.1,47.641 139.1,49.725 143.175,53.8 143.175,54.697 143.578,55.1 144.028,55.1 ; v1(135.8,63.4) 135.8,63.328 144.028,55.1 ; v1(147.2,53.8) 145.328,53.8 144.028,55.1
  L12 w0.3: v1(135.1,64.1) FB44.2@135.1,63.4 ; C371.1@135.15,61.9 135.1,61.95 FB44.2@135.1,63.4 ; FB44.2@135.15,63.4 FB44.2@135.15,63.35 ; v1(135.8,63.4) 135.2,63.4 FB44.2@135.15,63.35 ; FB44.2@135.1,63.4 FB44.2@135.15,63.35
3V3_OVDD: C372.1 C373.1 C374.1 C375.1 C376.1 C377.1 FB45.2 U42.18 U42.29 U42.43 U42.57 U42.78 | length 63.3
  L1 w0.3: v1(127,59.1) C376.1@127.6,59.1 127.7,59 U42.78@129.275,59 ; U42.18@139.5,46.275 C375.1@139.5,44.8 v1(140.1,44.8) ; v1(139.6,64.5) 140,64.1 C373.1@140,63.3 U42.57@140,61.725 ; U42.29@144.725,49.5 C374.1@146.475,49.5 ; U42.43@144.725,56.5 146.5,56.5 C372.1@146.6,56.4 ; C372.1@146.55,56.4 C372.1@146.6,56.4 ; C374.1@146.65,49.6 C374.1@146.7,49.6 v2(147.25,49.6) ; v2(147.15,56.4) C372.1@146.6,56.4
  L7 (PWR) w0.3: v1(127,59.1) 133.622,59.1 135.325,60.803 135.325,63.597 135.603,63.875 135.703,63.875 136.403,64.575 139.525,64.575 v1(139.6,64.5) 140.5,63.6 ; v1(140.1,44.8) 142.45,44.8 v2(147.25,49.6) 148.7,51.05 148.7,54.85 v2(147.15,56.4) 147.15,57.222 145.847,58.525 145.503,58.525 145.225,58.803 145.225,58.875 140.5,63.6 ; v1(140.5,60.2) 140.5,63.6
  L12 w0.3: FB45.2@140.45,57.7 140.45,59.4 C377.1@140.35,59.5 140.35,60.05 v1(140.5,60.2)
3V3_PVDD: C383.1 C384.1 FB47.2 U42.97 | length 5.4
  L1 w0.3: FB47.2@126.25,46.6 C384.1@126.25,48 126.25,48.65 C383.1@126.9,49.3 127.175,49.575 U42.97@129.175,49.575
5V_IN_CTRL: Q11.4 Q12.2 R506.2 | length 4.9
  L1 w0.1: v1(26.695,48.695) Q11.4@27.8,48.695
  L12 w0.1: Q12.2@23.9,48.7 26.69,48.7 v1(26.695,48.695) R506.2@27.695,48.695
+0V75_DDR_VTT: C450.1 C451.1 C452.1 L14.2 TP35.1 U44.19 | length 8.2
  L1 w0.3: U44.19@76.45,54.65 77.1,54.65 v2(77.2,54.75)
  L8 (PWR) w0.4: v2(77.2,54.75) 77.2,54.392 77.725,53.867 77.725,53.275 v2(80.5,50.5) v2(81.3,50.5)
  L12 w0.4: v2(77.2,54.75) 77.65,54.3 TP35.1@78,54.3
+1V1_NVCC_PLL_OUT: C164.1 C165.1 U1.E8 | length 4.6
  L1 w0.4: U1.E8@76.4,39.3 v2(76.8,38.9)
  L8 (PWR) w0.1: v2(76.8,38.9) 77.225,39.325 77.225,40.125 v1(77.6,40.5)
  L12 w0.4: v2(76.8,38.9) v2@76.858,38.9 ; C165.1@78.35,41.3 78.35,41.25 v1(77.6,40.5) 77.8,40.3 C164.1@78.435,40.3
+1V1_VDDSOC_CAP: C60.1 C72.1 C125.1 C126.1 C127.1 C128.1 C129.1 C130.1 C131.1 C151.1 FB1.1 R12.1 R22.1 R39.1 U1.N12 U1.R10 U1.T10 U1.T13 U1.T14 U1.U10 U1.U13 U1.U14 | length 40.4
  L1 w0.4: U1.N12@70,36.1 v2(70.4,36.5)
  L5 (PWR) w0.1: 71.575,39.947 71.575,40.675 72.2,41.3
  L5 (PWR) w0.3: v2(67.2,38.1) 67.2,38.228 66.725,38.703 66.725,40.153 67.675,41.103 67.675,41.275 68.175,41.775 68.997,41.775 69.147,41.625 70.075,41.625 v2(70.4,41.3) 70.725,41.625 70.725,43.353 72.525,45.153 ; v2(70.4,36.5) 70.4,36.628 70.875,37.103 70.875,39.247 71.575,39.947 ; v1(72.7,45.8) 73.3,46.4 73.525,46.4 74,45.925 75.075,45.925 v2(75.25,46.1)
  L5 (PWR) w0.4: v1(67.2,35.6) 67.358,35.6 67.783,35.175 69.017,35.175 70.342,36.5 v2(70.4,36.5) ; 72.2,41.3 72.2,41.558 72.525,41.883 72.525,45.153 72.525,45.625 v1(72.7,45.8)
  L8 (PWR) w0.3: v2(75.25,46.1) 75.628,46.1 76.103,46.575 76.497,46.575 76.647,46.425 77.297,46.425 77.575,46.703 77.575,47.175 v1(78.5,48.1)
  L12 w0.3: C127.1@66.7,37.865 66.965,37.865 v2(67.2,38.1) 67.435,37.865 C130.1@67.6,37.865 ; v2(70.4,36.5) 70.7,36.8 C151.1@70.935,36.8 ; v1(72.7,45.8) 73,45.5 C72.1@73,45.3
  L12 w0.4: v2(70.4,41.3) 70.5,41.2 R22.1@71,41.2 ; R39.1@74.4,45.4 74.55,45.4 v2(75.25,46.1) 75.5,46.35 R12.1@75.5,46.7 ; 77.9,46.7 C60.1@77.9,47.42 77.9,47.5 v1(78.5,48.1)
  other v1: 67.2,34.1
+1V2_ETH: FB2.2 FB3.1 FB4.1 FB5.1 R117.2 R118.1 TP9.1 | length 50.2
  L1 w0.2: v1(173.1,14.9) 173.6,15.4 R117.2@173.8,15.4 173.5,15.7 v1(173.1,15.7)
  L1 w0.3: v1(165.8,21.6) 165.8,22.1 FB2.2@165.6,22.3 165.8,22.5 v1(165.8,23)
  L1 w0.4: FB4.1@147.15,18.6 v1(147.85,18.6)
  L7 (PWR) w0.2: v1(144.3,23.4) 144.3,22.601 144.925,21.976 144.925,21.525 v1(147.85,18.6) 147.85,19.45 148.4,20 v1(148.4,21.1) ; v1(149.1,20.5) 149,20.5 v1(148.4,21.1) ; v1(173.1,15.7) 169.7,15.7 165.8,19.6 v1(165.8,21.6) v1(165.8,23) 165.083,23 164.508,23.575 162.324,23.575 161.841,24.058 159.115,24.058 158.157,23.1 150.4,23.1 v1(148.4,21.1)
  L12 w0.2: FB3.1@143.2,23.65 143.45,23.65 v1(143.9,24.1) v1(144.7,24.1) 144.3,23.7 v1(144.3,23.4) ; v1(148.4,21.1) FB5.1@148.4,20.5 v1(149.1,20.5) ; v1(173.1,15.7) 173.6,15.2 TP9.1@173.9,15.2
+1V2_ETH_AVDDL: C201.1 C202.1 C203.1 C204.1 FB4.2 U14.4 U14.9 | length 10.6
  L1 w0.2: U14.4@143.89,14.49 145.29,14.49 145.5,14.7 C203.1@145.5,15 145.65,15.15 v1(145.65,15.5) C201.1@145.65,16.2 145.49,16.36 v1(145.49,16.9) v1@145.49,16.99 ; U14.9@143.89,16.99 v1@145.49,16.99 ; FB4.2@145.65,18.6 145.65,17.55 C204.1@145.5,17.4 145.5,17 v1@145.49,16.99
  L1 w0.4: FB4.2@145.65,18.6 146.1,19.05 v1(146.1,19.3)
  L12 w0.2: C202.1@143.3,16.6 145.19,16.6 v1(145.49,16.9)
  other v1: 145.7,17.9
+1V2_ETH_AVDDL_PLL: C205.1 C206.1 C207.1 FB5.2 U14.44 | length 19.2
  L1 w0.25: v1(141.2,11.7) U14.44@141.2,12.3
  L7 (PWR) w0.4: v1(140,11.3) 140.4,11.7 v1(141.2,11.7) 141.7,12.2 141.7,14.15 145.125,17.575 145.125,19.575 v1(144.5,20.2)
  L12 w0.1: C206.1@140.1,13.5 C207.1@141.1,13.5 141.1,11.8 v1(141.2,11.7) ; v1(144.5,20.2) 144.85,20.55 C205.1@145.3,20.55 ; v1(144.5,21) 144.85,21 C205.1@145.3,20.55 ; FB5.2@147.4,20.5 145.35,20.5 C205.1@145.3,20.55
+1V2_ETH_DVDDL: C193.1 C194.1 C195.1 C196.1 C197.1 C198.1 C199.1 C200.1 FB3.2 U14.14 U14.18 U14.23 U14.26 U14.30 U14.39 | length 34.6
  L1 w0.2: v1(135.2,15.8) 135.4,15.8 135.6,16 135.61,15.99 U14.30@137.01,15.99 ; U14.26@137.01,17.99 137.56,17.99 v1(137.9,17.65) ; v1(137.9,18.4) 138.2,18.7 U14.23@138.2,19.18 ; U14.39@138.7,12.3 138.7,11.8 v1@138.8,11.7 ; U14.18@140.7,19.18 v1@140.7,19.7 ; U14.14@142.7,19.18 142.7,18.4 v1(142.8,18.3)
  L7 (PWR) w0.2: v1(135.2,15.8) 137.05,17.65 v1(137.9,17.65) v1(137.9,18.4) ; v1@138.8,11.7 139.4,11.7 139.6,11.9 139.6,16.1 140.275,16.775 140.275,17.476 140.974,18.175 141.325,18.175 ; v1(140.7,19.8) 140.7,18.8 141.325,18.175 ; v1(142.8,18.3) 142.675,18.175 141.325,18.175
  L12 w0.2: C198.1@137,18.5 137.1,18.4 v1(137.9,18.4) ; C199.1@137.01,17.49 137.17,17.65 v1(137.9,17.65) 138.6,17.65 ; C195.1@138.9,11.1 v1(138.9,11.6) ; C194.1@140.3,16.8 140.3,16.925 139.325,16.925 138.6,17.65 ; v1(142.8,18.3) 142.8,18.2 C196.1@143.3,17.7 ; FB3.2@143.2,22.15 142.05,21 C193.1@142.05,20.6 141.25,19.8 v1(140.7,19.8) 140.2,19.3 C197.1@140.2,19 140,18.8 139.7,18.8 139.15,18.25 v1(139.15,18.2) 138.6,17.65
+1V2_PMIC: C419.1 R118.2 TP27.1 U44.18 | length 128.6
  L1 w0.3: v2(75.3,53.7) 75.75,54.15 U44.18@76.45,54.15 ; v1(173.4,13.8) 173.8,14.2 R118.2@173.8,14.4
  L5 (PWR) w0.3: v2(75.3,53.7) 75.372,53.7 76.725,52.347 76.725,52.303 78.053,50.975 81.497,50.975 82.347,50.125 83.875,50.125 86.175,47.825 87.497,47.825 87.822,47.5 91.828,47.5 92.303,47.975 92.697,47.975 93.497,47.175 94.097,47.175 94.425,47.503 94.425,47.847 94.703,48.125 94.897,48.125 95.347,48.575 96.87,48.575 97.02,48.425 98.653,48.425 98.803,48.575 101.697,48.575 102.497,47.775 104.597,47.775 104.847,47.525 105.397,47.525 105.972,48.1 114.972,48.1 117.325,45.747 117.325,43.403 118.053,42.675 138.097,42.675 139.097,41.675 142.097,41.675 143.275,40.497 143.275,39.625 145.425,37.475 145.797,37.475 146.042,37.23 147.835,37.23 148.505,37.9 158.63,27.775 158.997,27.775 160.525,26.247 160.525,20.145 161.642,19.028 164.244,19.028 167.175,16.097 167.175,15.675 168.776,14.074 169.444,14.074 169.718,13.8 v1(173.4,13.8) v1(174.2,13.8)
  L12 w0.3: v2(75.3,53.7) 76,53.7 C419.1@76.6,54.3
  L12 w0.4: C419.1@76.6,54.3 TP27.1@76.6,55.2